# Altium PCB PCB1.PcbDoc
Units mm, origin at the board's own origin, x right, y up, seen from the top; angles counter-clockwise.
Board outline 110 x 150 mm, 2 copper layers (Top Layer, Bottom Layer); 58 components, 42 nets, 194 pads, 0 vias.
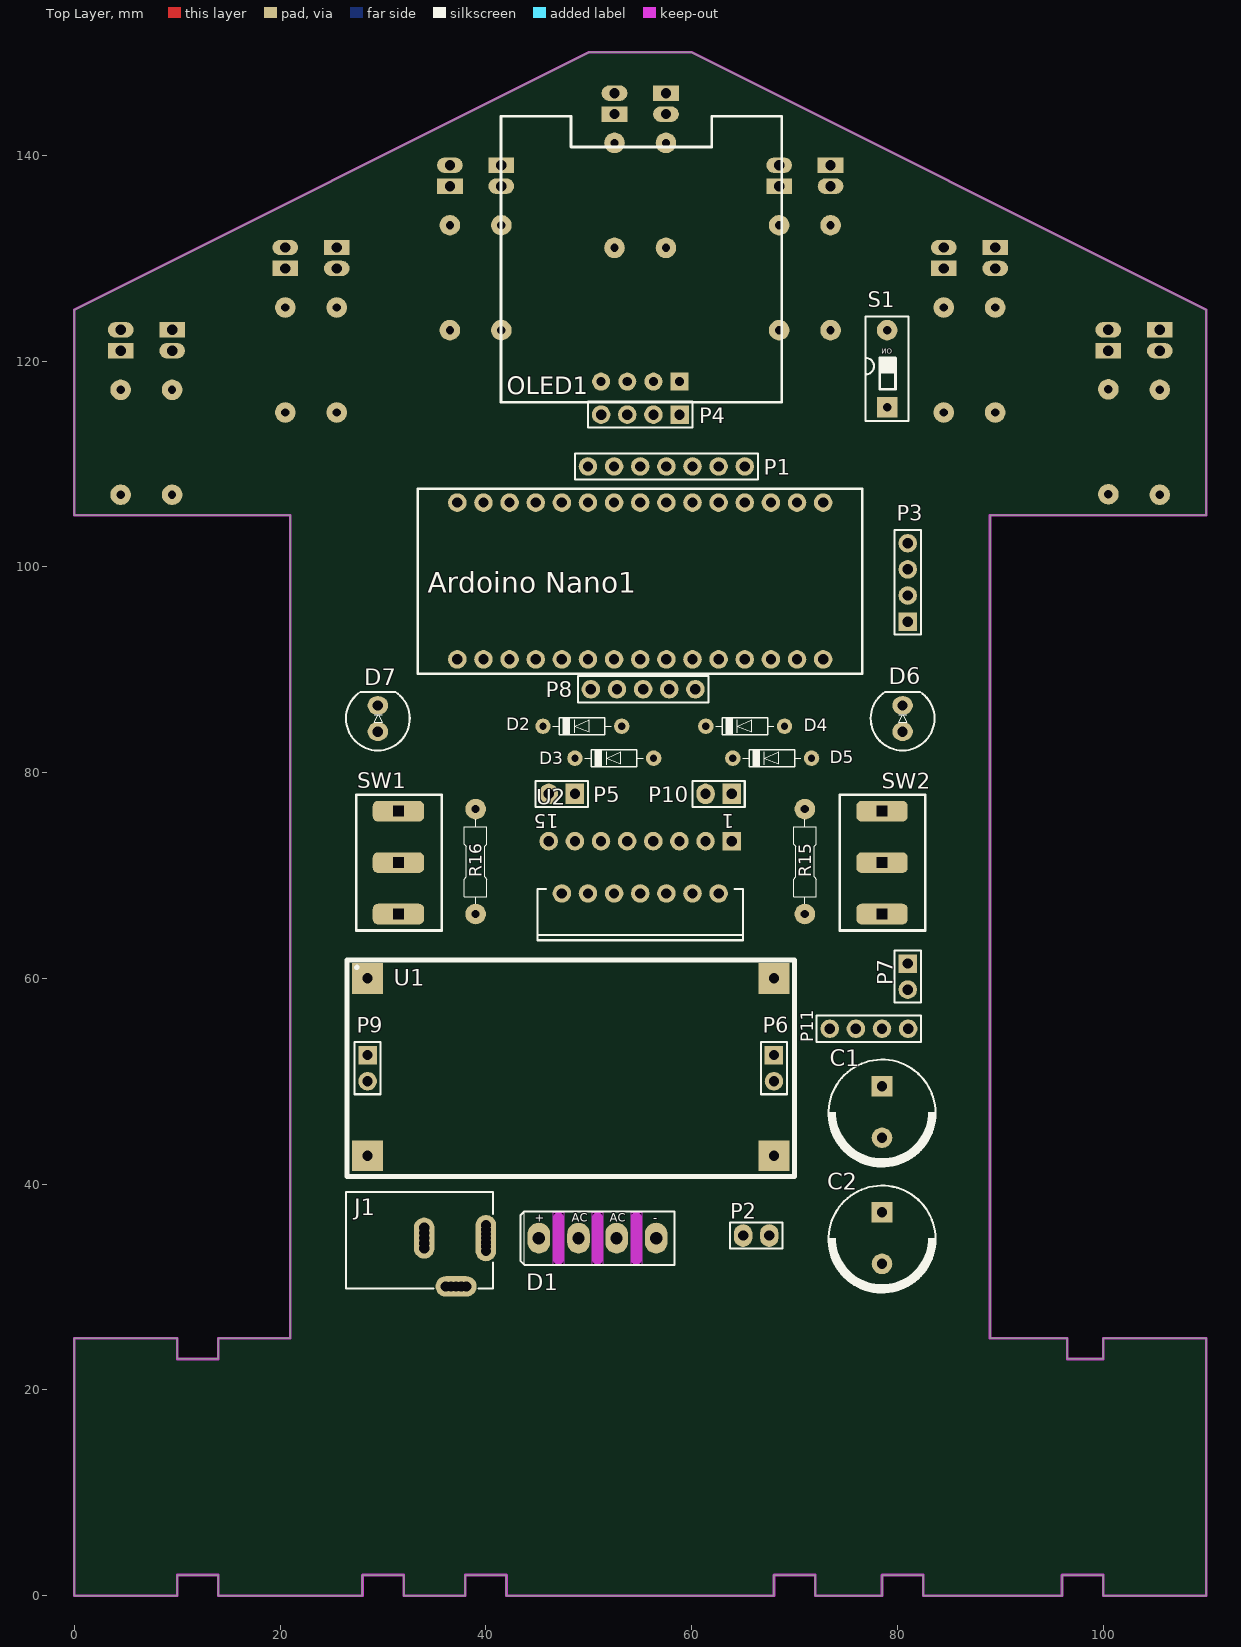
[diagram p0: Top Layer view]
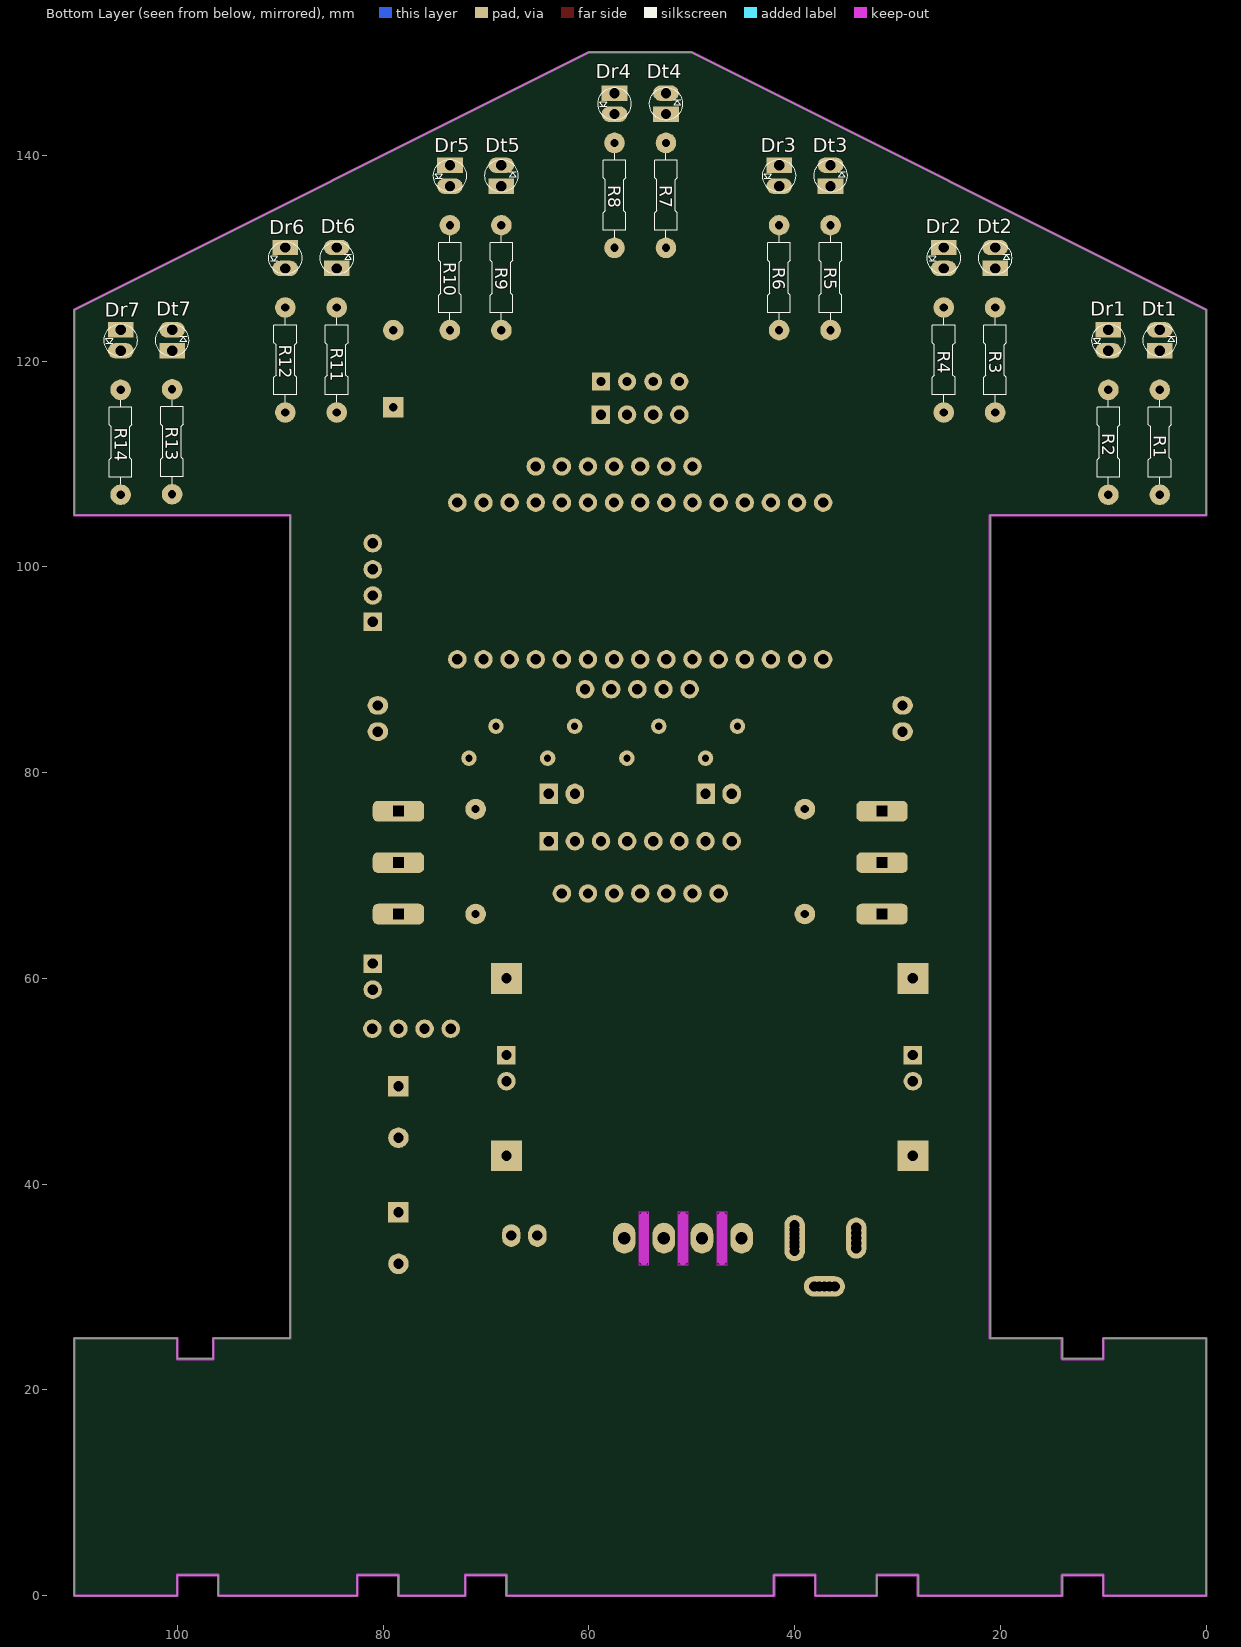
[diagram p1: Bottom Layer view, seen from below]

## Layer stack, top to bottom
Top Solder: solder mask 0.0102, Solder Resist, Dk 3.5
Top Layer: signal copper 0.0356
Dielectric 1: dielectric 0.32, FR-4, Dk 4.8
Bottom Layer: signal copper 0.0356
Bottom Solder: solder mask 0.0102, Solder Resist, Dk 3.5

## Board outline
10,0 10,2 14,2 14,0 28,0 28,2 32,2 32,0 38,0 38,2 42,2 42,0 68,0 68,2 72,2 72,0 78.5,0 78.5,2 82.5,2 82.5,0 96,0 96,2 100,2 100,0 110,0 110,25 100,25 100,23 96.5,23 96.5,25 89,25 89,105 110,105 110,125 60,150 50,150 0,125 0,105 21,105 21,25 14,25 14,23 10,23 10,25 0,25 0,0

## Design rules (kind name [scope] priority, off if disabled: settings)
Clearance [All] p1: gap=0.254 ignorepadtopadclearanceinfootprint=FALSE except(0: Arc-Hole Track-Hole SMDPad-Hole THPad-Hole Via-Hole Fill-Hole Poly-Hole Region-Hole Text-Hole)
DiffPairsRouting [All] p1: maxlimit=0.254 minlimit=0.254 mostfreqgap=0.254 toplayer_minwidth=0.254 toplayer_maxwidth=0.254 toplayer_prefwidth=0.254 bottomlayer_minwidth=0.254 bottomlayer_maxwidth=0.254 bottomlayer_prefwidth=0.254 maxuncoupledlength=12.7
PolygonConnect [All] p1: connectstyle=Relief reliefconductorwidth=0.254 reliefentries=4 polygonreliefangle="90 Angle" airgapwidth=0.254
RoutingVias [All] p1: holewidth=0.711 width=1.27 viastyle="Through Hole" minholewidth=0.711 minwidth=1.27 maxholewidth=0.711 maxwidth=1.27
SolderMaskExpansion [All] p1: expansion=0.102 istentingtop=FALSE
Width [All] p1: maxlimit=5 minlimit=0.254 preferedwidth=1 minimp=50.000000 maximp=50.000000 favimp=50.000000
29 further rules are at their usual default settings.

## Components (designator, comment, footprint, x,y, rotation, side; value= is the part's Value field where it differs from the comment)
"Ardoino Nano1" "Arduino_Nano" Arduino_Nano 76.59,107.586 r180 top
C1 "1uF" "Cap electrolitic radial 10x16-5" 78.5,47 r270 top
C2 "1uF" "Cap electrolitic radial 10x16-5" 78.5,34.75 r270 top
D1 "Diode Bridge" "Bridge KBP PACKAGE" 50.85,34.75 r0 top
D2 "1N4148" "DO 35" 49.375,84.5 r0 top
D3 "1N4148" "DO 35" 52.475,81.4 r0 top
D4 "1N4148" "DO 35" 65.2,84.5 r0 top
D5 "1N4148" "DO 35" 67.825,81.4 r0 top
D6 "LED 5MM" LED5MM_RED 80.5,85.25 r90 top
D7 "LED 5MM" LED5MM_RED 29.5,85.25 r90 top
Dr1 "IR transmitter1" LED3mm_GRN 9.5,122.016 r270 bottom
Dr2 "IR transmitter1" LED3mm_GRN 25.5,130.016 r270 bottom
Dr3 "IR transmitter1" LED3mm_GRN 41.5,138.016 r270 bottom
Dr4 "IR transmitter1" LED3mm_GRN 57.5,145.016 r270 bottom
Dr5 "IR transmitter1" LED3mm_GRN 73.5,138.016 r270 bottom
Dr6 "IR transmitter1" LED3mm_GRN 89.5,130.016 r270 bottom
Dr7 "IR transmitter1" LED3mm_GRN 105.5,122.016 r270 bottom
Dt1 "IR receiver1" LED3mm_GRN 4.5,122.016 r90 bottom
Dt2 "IR receiver1" LED3mm_GRN 20.5,130.016 r90 bottom
Dt3 "IR receiver1" LED3mm_GRN 36.5,138.016 r90 bottom
Dt4 "IR receiver1" LED3mm_GRN 52.5,145.016 r90 bottom
Dt5 "IR receiver1" LED3mm_GRN 68.5,138.016 r90 bottom
Dt6 "IR receiver1" LED3mm_GRN 84.5,130.016 r90 bottom
Dt7 "IR receiver1" LED3mm_GRN 100.5,122.016 r90 bottom
J1 "DC Power Jack" "DC Power Jack 1" 40,35.55 r0 top
OLED1 "OLED display" OLED-SSD1306 68.77,143.8 r180 top
P1 "Header 7" HDR1X7 49.92,109.75 r0 top locked
P2 "Header 2" HDR1X2#1 67.54,35 r180 top
P3 "Header 4" HDR1X4#1 81,94.67 r90 top
P4 "Header 4" HDR1X4#1 58.82,114.79 r180 top
P5 "Header 2" HDR1X2#2 48.65,77.93 r180 top
P6 "Header 2" HDR1X2#3 68,50 r90 top
P7 "Header 2" HDR1X2#4 81,61.44 r270 top
P8 "Header 5" HDR1X5 50.2,88.1 r0 top
P9 "Header 2" HDR1X2#4 28.5,52.54 r270 top
P10 "Header 2" HDR1X2#2 63.89,77.93 r180 top
P11 "Header 4" HDR1X4#2 73.42,55.1 r0 top
R1 "100 ohm" "Axial 0_25 W, 0_4 IN LEAD PITCH" 4.5,112.1 r90 bottom
R2 "2.2K" "Axial 0_25 W, 0_4 IN LEAD PITCH" 9.5,112.1 r90 bottom
R3 "100 ohm" "Axial 0_25 W, 0_4 IN LEAD PITCH" 20.5,120.1 r90 bottom
R4 "2.2K" "Axial 0_25 W, 0_4 IN LEAD PITCH" 25.5,120.1 r90 bottom
R5 "100 ohm" "Axial 0_25 W, 0_4 IN LEAD PITCH" 36.5,128.1 r90 bottom
R6 "2.2K" "Axial 0_25 W, 0_4 IN LEAD PITCH" 41.5,128.1 r90 bottom
R7 "100 ohm" "Axial 0_25 W, 0_4 IN LEAD PITCH" 52.5,136.1 r90 bottom
R8 "2.2K" "Axial 0_25 W, 0_4 IN LEAD PITCH" 57.5,136.1 r90 bottom
R9 "100 ohm" "Axial 0_25 W, 0_4 IN LEAD PITCH" 68.5,128.1 r90 bottom
R10 "2.2K" "Axial 0_25 W, 0_4 IN LEAD PITCH" 73.5,128.1 r90 bottom
R11 "100 ohm" "Axial 0_25 W, 0_4 IN LEAD PITCH" 84.5,120.1 r90 bottom
R12 "2.2K" "Axial 0_25 W, 0_4 IN LEAD PITCH" 89.5,120.1 r90 bottom
R13 "100 ohm" "Axial 0_25 W, 0_4 IN LEAD PITCH" 100.5,112.15 r90 bottom
R14 "2.2K" "Axial 0_25 W, 0_4 IN LEAD PITCH" 105.5,112.1 r90 bottom
R15 "220" "Axial 0_25 W, 0_4 IN LEAD PITCH" 71,71.35 r90 top
R16 "1K" "Axial 0_25 W, 0_4 IN LEAD PITCH" 39,71.35 r90 top
S1 "DS1" "DIP Switch x1" 79,115.5 r0 top
SW1 "KCD11" "KCD11 rocker switch" 36.5,63.25 r90 top
SW2 "KCD11" "KCD11 rocker switch" 83.5,63.25 r90 top
U1 "LM2596 module" "LM2596 module" 26.5,40.75 r0 top
U2 "L298N" Multiwatt15V 55,70.79 r180 top

## Footprints (in the part's own frame and the unit in brackets; to place one, negate y for a bottom-side part, rotate by r counter-clockwise, add the part's x,y. Pads: shape width x height; smd on the part's side, far side on the other; paste and mask are expansions set on the pad)
Arduino_Nano [mm]
  round 1.8 hole 1: 1(3.81,1.346) 2(6.35,1.346) 3(8.89,1.346) 4(11.43,1.346) 5(13.97,1.346) 6(16.51,1.346) 7(19.05,1.346) 8(21.59,1.346) 9(24.13,1.346) 10(26.67,1.346) 11(29.21,1.346) 12(31.75,1.346) 13(34.29,1.346) 14(36.83,1.346) 15(39.37,1.346) 16(39.37,16.586) 17(36.83,16.586) 18(34.29,16.586) 19(31.75,16.586) 20(29.21,16.586) 21(26.67,16.586) 22(24.13,16.586) 23(21.59,16.586) 24(19.05,16.586) 25(16.51,16.586) 26(13.97,16.586) 27(11.43,16.586) 28(8.89,16.586) 29(6.35,16.586) 30(3.81,16.586)
  silkscreen extent 0,0 43.2,18, body extent -0.07,0 44.93,18, height 13.1
"Axial 0_25 W, 0_4 IN LEAD PITCH" [mm] "Designer Abbas Basereh"
  round 2 hole 0.8: 1(5.1,0) 2(-5.1,0)
  silkscreen extent -4.1,-1.1 4.1,1.1, body extent -5.4,-1.16 5.36,1.16, height 3.63
"Bridge KBP PACKAGE" [mm] "KBP Bridge Rectifiers DESIGNER :ABBAS BASEREH"
  oval 2.2x3 hole 1.2: 1(-5.7,0) 2(-1.85,0) 3(1.85,0) 4(5.7,0)
  Keep-Out Layer board cut-out: 3.3,2.5 4.3,2.5 4.3,-2.6 3.3,-2.6
  Keep-Out Layer board cut-out: -0.5,2.5 0.5,2.5 0.5,-2.6 -0.5,-2.6
  Keep-Out Layer board cut-out: -4.3,2.5 -3.3,2.5 -3.3,-2.6 -4.3,-2.6
  Keep-Out Layer lines w1: -3.8,-2.125 -3.8,2.025 ; 0,-2.125 0,2.025 ; 3.775,-2.125 3.775,2.025
  silkscreen extent -7.5,-2.6 7.5,2.6, body extent -7.38,-2.42 7.35,2.41, height 12.49
"Cap electrolitic radial 10x16-5" [mm] "Cap electrolitic radial 10x16-5-Design:Abbas Basereh"
  rect 2x2 hole 1: 1(-2.5,0)
  round 2 hole 1: 2(2.5,0)
  silkscreen extent -5.1,-5.2 5.3,5.2, body extent -5,-5 5,5, height 16
"DC Power Jack 1" [mm] "Power Adaptor Jack"
  round 1.5 hole 1: 1(0,-2.05) 1(0,-1.6) 1(0,-1.2) 1(0,-0.4) 1(0,0) 1(0,0.45) 2(-6,-1.8) 2(-6,0.2) 2(-6,-1.3) 2(-6,-0.3) 3(-3.9,-5.5) 3(-3.4,-5.5) 3(-2.4,-5.5) 3(-1.9,-5.5)
  oval 2x4.5 hole 1: 1(0,-0.8)
  oval 2x4 hole 1: 2(-6,-0.8)
  oval 4x2 hole 1: 3(-2.9,-5.5)
  silkscreen extent -13.59,-5.7 0.7,3.7, body extent -13.68,-5.74 0.72,3.66, height 11.05
"DIP Switch x1" [mm] "Switch DIP 1 way flat slide Thru-Hole-Design:Ali Hafizi"
  rect 2x2 hole 0.8: 1(0,0)
  round 2 hole 0.8: 2(0,7.5)
  silkscreen extent -2.09,-1.32 2.08,8.82, body extent -1.94,-1.11 1.89,8.64, height 7.33
"DO 35" [mm] "Diode"
  round 1.5 hole 0.7: 1(3.825,0) 2(-3.825,0)
  silkscreen extent -2.88,-0.85 2.8,0.85, body extent -4.1,-0.96 4.08,0.96, height 2.46
HDR1X2#1 [mm] "Connector; Header; 2 Position"
  oval 1.8x2.2 hole 1: 1(0,0) 2(2.54,0)
  silkscreen extent -1.27,-1.27 3.81,1.27, body extent -1.27,-1.28 3.81,1.26, height 8.79
HDR1X2#2 [mm] "Connector; Header; 2 Position"
  rect 1.8x2 hole 1: 1(0,0)
  oval 1.8x2 hole 1: 2(2.54,0)
  silkscreen extent -1.27,-1.27 3.81,1.27, body extent -1.27,-1.28 3.81,1.26, height 8.79
HDR1X2#3 [mm] "Connector; Header; 2 Position"
  round 1.8 hole 1: 1(0,0)
  rect 1.8x1.8 hole 1: 2(2.54,0)
  silkscreen extent -1.27,-1.27 3.81,1.27, body extent -1.27,-1.28 3.81,1.26, height 8.79
HDR1X2#4 [mm] "Connector; Header; 2 Position"
  rect 1.8x1.8 hole 1: 1(0,0)
  round 1.8 hole 1: 2(2.54,0)
  silkscreen extent -1.27,-1.27 3.81,1.27, body extent -1.27,-1.28 3.81,1.26, height 8.79
HDR1X4#1 [mm] "Connector; Header; 4 Position"
  rect 1.8x1.8 hole 1: 1(0,0)
  round 1.8 hole 1: 2(2.54,0) 3(5.08,0) 4(7.62,0)
  silkscreen extent -1.27,-1.27 8.89,1.27, body extent -1.27,-1.28 8.89,1.26, height 8.38
HDR1X4#2 [mm] "Connector; Header; 4 Position"
  round 1.8 hole 1: 1(0,0) 2(2.54,0) 3(5.08,0) 4(7.62,0)
  silkscreen extent -1.27,-1.27 8.89,1.27, body extent -1.27,-1.28 8.89,1.26, height 8.38
HDR1X5 [mm] "Connector; Header; 5 Position"
  round 1.8 hole 1: 1(0,0) 2(2.54,0) 3(5.08,0) 4(7.62,0) 5(10.16,0)
  silkscreen extent -1.27,-1.27 11.43,1.27, body extent -1.28,-1.27 11.42,1.27, height 8.38
HDR1X7 [mm] "Connector; Header; 7 Position"
  round 1.8 hole 1: 1(0,0) 2(2.54,0) 3(5.08,0) 4(7.62,0) 5(10.16,0) 6(12.7,0) 7(15.24,0)
  silkscreen extent -1.27,-1.27 16.51,1.27
"KCD11 rocker switch" [mm]
  rrect50% 2x5 hole 1 square: 1(3,5) 2(8,5) 3(13,5)
  silkscreen extent 1.4,0.8 14.6,9.1, body extent 0.47,-0.25 15.53,10.25, height 14.51
LED3mm_GRN [mm]
  rect 1.5x2.5 hole 1: 1(-1.016,0)
  oval 1.5x2.5 hole 1: 2(1.016,0)
  silkscreen extent -1.6,-1.6 1.6,1.6, body extent -1.75,-1.75 1.75,1.75, height 3.9
LED5MM_RED [mm] "LED 5MM THROUGH HOLE RED-Designer Abbas Basereh"
  oval 1.8x2 hole 1: 1(-1.27,0) 2(1.27,0)
  silkscreen extent -3.1,-3.1 2.6,3.1, body extent -2.97,-3 2.45,3.02, height 12.31
"LM2596 module" [mm]
  rect 3x3 hole 1: 1(2,19.25) 2(2,2) 3(41.5,19.25) 4(41.5,2)
  silkscreen extent 0,0 43.51,21.02, body extent 0.05,0 43.55,21
Multiwatt15V [mm] "TO, Thru-Hole, Vertical, Heatsink Mounted; 15 Bent Staggered Leads; Pitch 1.27 mm"
  rect 1.8x1.8 hole 1: 1(-8.89,-2.54)
  round 1.8 hole 1: 2(-7.62,2.54) 3(-6.35,-2.54) 4(-5.08,2.54) 5(-3.81,-2.54) 6(-2.54,2.54) 7(-1.27,-2.54) 8(0,2.54) 9(1.27,-2.54) 10(2.54,2.54) 11(3.81,-2.54) 12(5.08,2.54) 13(6.35,-2.54) 14(7.62,2.54) 15(8.89,-2.54)
  silkscreen extent -10,2.09 10,7.09, body extent -9.8,-2.81 9.8,7.08, height 21.3
OLED-SSD1306 [mil] "Created by mmd"
  rect 69x69 hole 35: GND(391.73,1015.75)
  round 69 hole 35: SCL(591.73,1015.75) SDA(691.73,1015.75) VCC(491.73,1015.75)
  silkscreen extent 0,0 1075,1094, body extent 12,3 1063,1100, height 215

## Part data
C1 C2: library part "Cap ELECTROLITIC TOTAL SIZE", "Cap electrolitic radial", Data=16-12-2016, Designer="Abbas Basereh"
D1: library part "Diode Bridge TOTAL SIZE", "Full Wave Diode Bridge", ComponentLink1Description=Datasheet, ComponentLink2Description=Reference, Design Date=1395/11/09, Designer="Abbas Basereh", Mounting Technology="Surface Mount\Through-Hole", Status=Unreleased
D2 D3 D4 D5: "DIODE GEN PURP 100V 200MA DO35", ComponentLink1Description="Manufacturer Link", ComponentLink1URL=http://www.digikey.com/product-detail/en/fairchild-on-semiconductor/1N4148/1N4148FS-ND/458603, ComponentLink2Description=Datasheet, PackageDescription="DIODE GEN PURP 100V 200MA DO35", PackageReference="DO 35", PackageVersion=2017-1-12, PART.NO=1N4148, Published=2017-1-12, Publisher="Abbas Basereh"
D6 D7: "Light Emitting Diode", Data=16-12-2016, Designer="Abbas Basereh"
Dr1 Dr2 Dr3 Dr4 Dr5 Dr6 Dr7 Dt1 Dt2 Dt3 Dt4 Dt5 Dt6 Dt7: library part "LED 3MM", "Light Emitting Diode", Designer="Ali Hafizi"
J1: "DC Power Jack. Center Pin 2.5mm. Diameter: 5.7mm", Adding Date=10/21/2009, Company=Personal, Designer="Ali Hafizi", Project Name=Laser
OLED1: library part OLED-SSD1306, "OLED display SSD1306 0.96 inch 64*128px"
P1: "Header, 7-Pin", LatestRevisionDate=17-Jul-2002, LatestRevisionNote="Re-released for DXP Platform.", Publisher="Altium Limited"
P2 P5 P6 P7 P9 P10: "Header, 2-Pin", LatestRevisionDate=17-Jul-2002, LatestRevisionNote="Re-released for DXP Platform.", Publisher="Altium Limited"
P3 P4 P11: "Header, 4-Pin", LatestRevisionDate=17-Jul-2002, LatestRevisionNote="Re-released for DXP Platform.", Publisher="Altium Limited"
P8: "Header, 5-Pin", LatestRevisionDate=17-Jul-2002, LatestRevisionNote="Re-released for DXP Platform.", Publisher="Altium Limited"
R1 R2 R3 R4 R5 R6 R7 R8 R9 R10 R11 R12 R13 R14 R15 R16: library part "RES Axial 0.25W", "RES Axial 0.25W", Data=4-1-2017, Desc.="RES Axial 0.25W", Designer="Abbas Basereh"
S1: library part "DIP Switch 1", "1 BIT DIP Switch"
SW1 SW2: "KCD11 rocker switch 2 state off/on"
U1: "LM2596 DC-DC module 1.25V-30V 3A"
U2: "Dual Full Bridge Driver", Package Information="Latest Revision: Apr-1998", Package Reference=Multiwatt15H, Datasheet="Latest Revision: Jul-1999", Published=8-Jun-2000, Publisher="Altium Limited", Revision 1="24-Aug-2001: Footprint Added.", Revision 2="17-Jul-2002: Re-released for DXP Platform."

## Nets (pads, with @x,y where several pads share a name; then routed paths per layer and width w, separated by ;. In a path a pad name is that pad's centre, name@x,y a point inside that pad or via, vN(x,y) a via of type N, cw(c..) or ccw(c..) an arc to the next point about the centre after c; other vN are vias at no path point)
+12: 
ENA: 
ENB: 
GND: 
IN1: 
IN2: 
IN3: 
IN4: 
"NetArdoino Nano1_1": 
"NetArdoino Nano1_2": 
"NetArdoino Nano1_23": 
"NetArdoino Nano1_24": 
NetD1_1: 
NetD1_2: 
NetD1_3: 
NetD2_2: 
NetD3_2: 
NetD4_2: 
NetD5_2: 
NetD6_1: 
NetD7_1: 
NetDt1_1: 
NetDt2_1: 
NetDt3_1: 
NetDt4_1: 
NetDt5_1: 
NetDt6_1: 
NetDt7_1: 
NetDt8_1: 
NetDt9_1: 
NetR1_2: 
NetSW2_2: 
Sensor0: 
Sensor1: 
Sensor2: 
Sensor3: 
Sensor4: 
Sensor5: 
Sensor6: 
Sensor7: 
Sensor8: 
VCC: 
pads on no net: "Ardoino Nano1.1" "Ardoino Nano1.2" "Ardoino Nano1.3" "Ardoino Nano1.4" "Ardoino Nano1.5" "Ardoino Nano1.6" "Ardoino Nano1.7" "Ardoino Nano1.8" "Ardoino Nano1.9" "Ardoino Nano1.10" "Ardoino Nano1.11" "Ardoino Nano1.12" "Ardoino Nano1.13" "Ardoino Nano1.14" "Ardoino Nano1.15" "Ardoino Nano1.16" "Ardoino Nano1.17" "Ardoino Nano1.18" "Ardoino Nano1.19" "Ardoino Nano1.20" "Ardoino Nano1.21" "Ardoino Nano1.22" "Ardoino Nano1.23" "Ardoino Nano1.24" "Ardoino Nano1.25" "Ardoino Nano1.26" "Ardoino Nano1.27" "Ardoino Nano1.28" "Ardoino Nano1.29" "Ardoino Nano1.30" C1.1 C1.2 C2.1 C2.2 D1.1 D1.2 D1.3 D1.4 D2.1 D2.2 D3.1 D3.2 D4.1 D4.2 D5.1 D5.2 D6.1 D6.2 D7.1 D7.2 Dr1.1 Dr1.2 Dr2.1 Dr2.2 Dr3.1 Dr3.2 Dr4.1 Dr4.2 Dr5.1 Dr5.2 Dr6.1 Dr6.2 Dr7.1 Dr7.2 Dt1.1 Dt1.2 Dt2.1 Dt2.2 Dt3.1 Dt3.2 Dt4.1 Dt4.2 Dt5.1 Dt5.2 Dt6.1 Dt6.2 Dt7.1 Dt7.2 J1.1 J1.2 J1.3 OLED1.GND OLED1.SCL OLED1.SDA OLED1.VCC P1.1 P1.2 P1.3 P1.4 P1.5 P1.6 P1.7 P2.1 P2.2 P3.1 P3.2 P3.3 P3.4 P4.1 P4.2 P4.3 P4.4 P5.1 P5.2 P6.1 P6.2 P7.1 P7.2 P8.1 P8.2 P8.3 P8.4 P8.5 P9.1 P9.2 P10.1 P10.2 P11.1 P11.2 P11.3 P11.4 R1.1 R1.2 R2.1 R2.2 R3.1 R3.2 R4.1 R4.2 R5.1 R5.2 R6.1 R6.2 R7.1 R7.2 R8.1 R8.2 R9.1 R9.2 R10.1 R10.2 R11.1 R11.2 R12.1 R12.2 R13.1 R13.2 R14.1 R14.2 R15.1 R15.2 R16.1 R16.2 S1.1 S1.2 SW1.1 SW1.2 SW1.3 SW2.1 SW2.2 SW2.3 U1.1 U1.2 U1.3 U1.4 U2.1 U2.2 U2.3 U2.4 U2.5 U2.6 U2.7 U2.8 U2.9 U2.10 U2.11 U2.12 U2.13 U2.14 U2.15

## Keep-outs
Keep-Out Layer:
  the board outline again, w0.254

## Text inside footprints (layer, text, board x,y; h text height)
D1: Top Overlay "AC" at 48.35,36.35 h0.8; Top Overlay "AC" at 52.05,36.35 h0.8; Top Overlay "-" at 56.25,36.35 h0.8; Top Overlay "+" at 44.75,36.35 h0.8
S1: Top Overlay "ON" at 79.5,120.7 h0.5
U2: Top Overlay "15" at 47.06,75.955 h1.4 r180; Top Overlay "1" at 64.12,75.955 h1.4 r180